# Allegro board RK_NVR_DEMO1_RK3588_LP4XD200P232SD8_V21_20211228_final_lint.brd (continued)
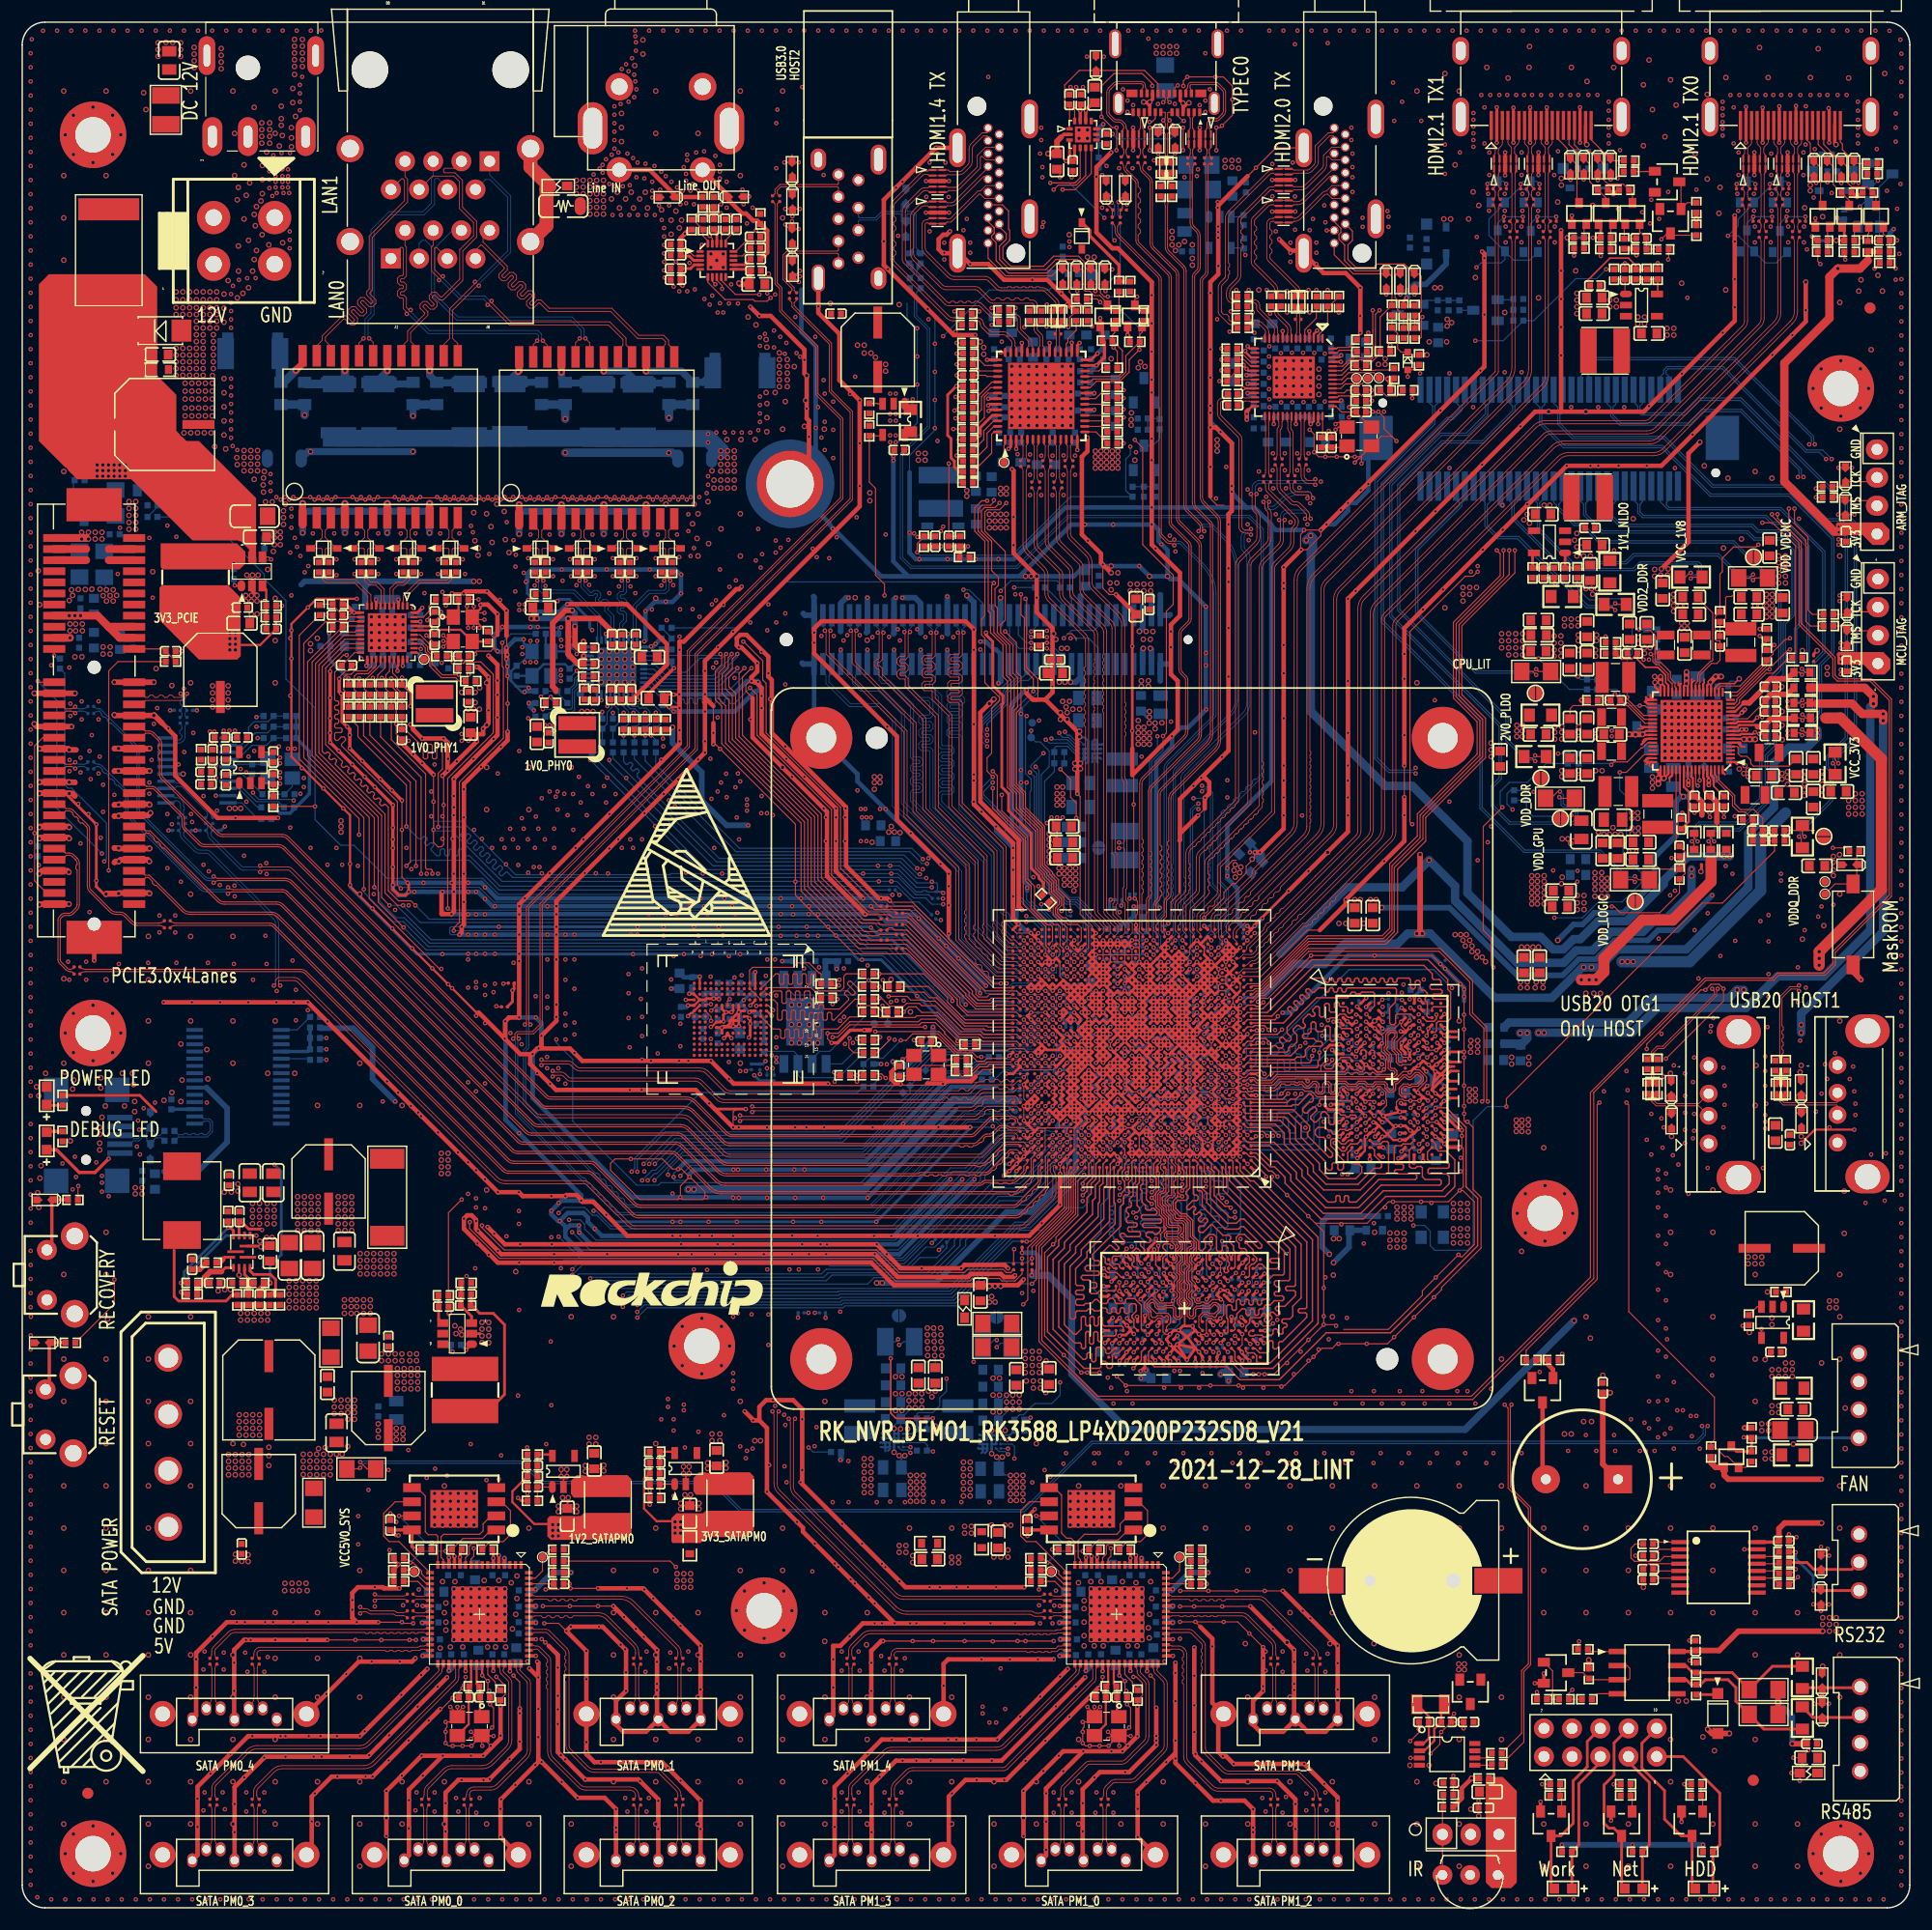
[diagram p0: board, top side]
## Placement (name value [footprint] x y rotation side) (continued)
R5524  0R  [R0201]  91.67 128.26 90 top
R5525  0R  [R0201]  91.96 130.19 90 top
R5526  0R  [R0201]  92.67 130.19 90 top
R5527  0R  [R0201]  92.96 128.26 90 top
R5528  22R  [R0402]  95.48 145.03 180 top
R5529  0R  [R0201]  93.67 128.26 90 top
R5530  0R  [R0201]  93.96 130.19 90 top
R5531  5.6K  [R0402]  94.97 143.5 90 top
R5532  0R  [R0201]  94.67 130.19 90 top
R5533  47K  [R0402]  95.98 143.5 270 top
R5534  100K  [R0402]  98.22 132.02 0 top
R5535  100K  [R0402]  98.22 133.04 0 top
R5536  100K  [R0402]  98.22 134.05 0 top
R5537  100K  [R0402]  98.22 135.07 0 top
R5538  33R  [R0402]  98.22 138.83 0 top
R5539  100K  [R0402]  98.22 136.09 0 top
R5540  0R  [R0402]  94.66 147.26 180 bottom
R5541  100K  [R0402]  98.22 137.1 0 top
R5542  10K  [R0402]  97.78 141.27 0 top
R5543  1.8K  [R0402]  98.83 146.14 270 top
R5544  22R  [R0402]  98.52 143.5 90 top
R5545  100K  [R0402]  100.96 134.26 0 bottom
R5546  10K  [R0402]  102.49 133.75 270 bottom
R5547  10K  [R0402]  100.25 141.17 0 top
R5548  1.8K  [R0402]  99.85 146.14 270 top
R5549  10K  [R0402]  100.05 127.65 90 bottom
R5550  22R  [R0402]  101.06 143.5 90 top
R5551  51K  [R0402]  102.08 127.65 270 bottom
R5552  10K  [R0402]  81.25 123.18 270 top
R5553  100K  [R0402]  84.5 123.18 270 top
R5554  100K  [R0402]  84.91 121.76 0 top
R5556  10K  [R0402]  85.21 129.44 180 top
R6700  0R  [R0402]  46.23 120.84 90 top
R6701  0R  [R0402]  47.14 120.84 90 top
R6702  0R  [R0402]  44.54 111.5 90 bottom
R6703  0R  [R0402]  50.04 120.84 90 top
R6704  0R  [R0402]  50.95 120.84 90 top
R6705  0R  [R0402]  53.85 120.84 90 top
R6706  0R  [R0402]  54.76 120.84 90 top
R6707  0R  [R0402]  57.66 120.84 90 top
R6708  0R  [R0402]  58.57 120.84 90 top
R6709  0R  [R0402]  46.72 114.84 0 bottom
R6710  75R  [R0805]  60.41 136.51 270 bottom
R6711  75R  [R0805]  58.28 136.51 270 bottom
R6712  75R  [R0805]  48.93 136.51 270 bottom
R6713  75R  [R0805]  46.8 136.51 270 bottom
R6714  100R  [R0402]  48.68 109.68 0 bottom
R6715  120R  [R0402]  46.7 109.68 180 bottom
R6716  4.7K  [R0402]  51.04 111 0 top
R6717  4.7K  [R0402]  50.64 109.38 90 top
R6718  4.7K  [R0402]  46.7 108.6 180 bottom
R6719  4.7K  [R0402]  47.62 108.63 180 top
R6720  4.7K  [R0402]  46.7 107.39 180 bottom
R6721  2.49K  [R0402]  48.76 114.84 180 bottom
R6722  4.7K  [R0402]  57.09 106.74 90 bottom
R6723  4.7K  [R0402]  57.08 106.66 270 top
R6724  4.7K  [R0402]  52.26 106.74 90 bottom
R6725  4.7K  [R0402]  53.23 106.74 90 bottom
R6726  4.7K  [R0402]  54.19 106.74 90 bottom
R6727  4.7K  [R0402]  54.19 106.66 270 top
R6728  4.7K  [R0402]  55.16 106.74 90 bottom
R6729  4.7K  [R0402]  55.16 106.66 270 top
R6730  0R  [R0402]  57.99 106.66 90 top
R6731  4.7K  [R0402]  56.12 106.74 90 bottom
R6732  4.7K  [R0402]  56.12 106.66 270 top
R6733  0R  [R0402]  46.71 118.43 0 top
R6734  4.7K  [R0402]  58.06 114.42 0 bottom
R6735  1.8K  [R0402]  58.06 112.35 180 bottom
R6736  0R  [R0402]  58.06 115.38 180 bottom
R6737  22R  [R0402]  54.19 104.6 270 bottom
R6738  22R  [R0402]  55.16 104.6 270 bottom
R6739  22R  [R0402]  56.12 104.6 270 bottom
R6740  22R  [R0402]  57.09 104.6 270 bottom
R6741  22R  [R0402]  52.26 104.6 270 bottom
R6742  22R  [R0402]  53.23 104.6 270 bottom
R6800  0R  [R0402]  26.72 120.84 90 top
R6801  0R  [R0402]  27.63 120.84 90 top
R6802  0R  [R0402]  41.94 114.6 90 top
R6803  0R  [R0402]  30.53 120.84 90 top
R6804  0R  [R0402]  31.44 120.84 90 top
R6805  0R  [R0402]  34.34 120.84 90 top
R6806  0R  [R0402]  35.25 120.84 90 top
R6807  0R  [R0402]  38.15 120.84 90 top
R6808  0R  [R0402]  39.06 120.84 90 top
R6809  0R  [R0402]  39.76 117.94 180 top
R6810  75R  [R0805]  37.35 136.51 270 bottom
R6811  75R  [R0805]  35.21 136.51 270 bottom
R6812  75R  [R0805]  25.45 136.51 270 bottom
R6813  75R  [R0805]  23.32 136.51 270 bottom
R6814  100R  [R0402]  37.8 112.83 180 top
R6815  120R  [R0402]  38.86 112.9 180 bottom
R6816  4.7K  [R0402]  35.45 114.1 180 bottom
R6817  4.7K  [R0402]  35.85 112.48 90 bottom
R6818  4.7K  [R0402]  39.78 111.72 0 top
R6819  4.7K  [R0402]  38.86 111.73 0 bottom
R6820  4.7K  [R0402]  40.41 110.58 0 top
R6821  2.49K  [R0402]  37.72 117.94 0 top
R6822  4.7K  [R0402]  29.39 109.82 270 top
R6823  4.7K  [R0402]  34.22 109.82 90 top
R6824  4.7K  [R0402]  34.18 109.79 270 bottom
R6825  4.7K  [R0402]  33.26 109.82 90 top
R6826  4.7K  [R0402]  32.29 109.82 90 top
R6827  4.7K  [R0402]  32.29 109.79 270 bottom
R6828  4.7K  [R0402]  31.33 109.82 90 top
R6829  4.7K  [R0402]  31.33 109.79 270 bottom
R6830  0R  [R0402]  27.3 113.73 0 bottom
R6831  4.7K  [R0402]  30.36 109.82 90 top
R6832  4.7K  [R0402]  30.36 109.79 270 bottom
R6833  0R  [R0402]  30.43 117.28 180 bottom
R6834  4.7K  [R0402]  28.42 117.52 180 top
R6835  1.8K  [R0402]  28.42 115.45 0 top
R6836  0R  [R0402]  26.79 116.98 90 top
R6837  22R  [R0402]  32.29 107.8 270 top
R6838  22R  [R0402]  31.33 107.8 270 top
R6839  22R  [R0402]  30.36 107.8 270 top
R6840  22R  [R0402]  29.39 107.8 270 top
R6841  22R  [R0402]  34.22 107.8 270 top
R6842  22R  [R0402]  33.26 107.8 270 top
R7000  10K  [R0402]  61.31 153.76 90 top
R7001  10K  [R0402]  62.33 153.76 90 top
R7002  10K  [R0402]  60.32 151.73 90 top
R7003  10K  [R0402]  66.52 152.24 90 top
R7004  10K  [R0402]  61.34 151.73 90 top
R7005  10K  [R0402]  135.96 49.39 0 top
R7006  51K  [R0402]  137.98 49.39 0 top
R8200  100K  [R0402]  48.34 30.23 180 top
R8201  0R  [R0402]  48.34 31.26 180 top
R8202  4.7K  [R0402]  48.34 32.28 180 top
R8203  10K  [R0402]  39.16 32.3 180 top
R8204  10K  [R0402]  41.91 32.3 180 top
R8205  10K  [R0402]  36.42 32.3 0 top
R8206  12K  [R0402]  43.1 19.17 270 top
R8207  1M  [R0402]  40.73 19.97 180 top
R8208  4.7K  [R0402]  33.93 31.51 0 top
R8209  0R  [R0402]  33.93 29.42 0 top
R8210  4.7K  [R0402]  33.93 30.44 0 top
R8211  0R  [R0603]  60.15 32.64 90 top
R8212  10K  [R0402]  57 36.95 0 top
R8213  150K  [R0402]  57 39.15 0 top
R8214  33K  [R0402]  57 41.12 180 top
R8215  10K  [R0402]  45.97 36.69 0 top
R8216  100K  [R0402]  45.97 38.9 0 top
R8217  100K  [R0402]  45.97 40.87 180 top
R8300  100K  [R0402]  105.75 30.23 180 top
R8301  0R  [R0402]  105.75 31.26 180 top
R8302  4.7K  [R0402]  105.75 32.28 180 top
R8303  10K  [R0402]  96.57 32.3 180 top
R8304  10K  [R0402]  99.31 32.3 180 top
R8305  10K  [R0402]  93.83 32.3 0 top
R8306  12K  [R0402]  100.51 19.17 270 top
R8307  1M  [R0402]  98.13 19.97 180 top
R8308  4.7K  [R0402]  91.33 31.51 0 top
R8309  4.7K  [R0402]  91.33 30.44 0 top
R8310  0R  [R0402]  91.33 29.42 0 top
R8311  0R  [R0603]  86.45 33.18 270 top
R8312  0R  [R0603]  81.76 32.86 0 top
R8400  22R  [R0402]  92.23 90.97 135 bottom
R8401  22R  [R0402]  3.4 112.16 90 bottom
R8402  22R  [R0402]  13.38 112.34 0 top
R8403  22R  [R0402]  1.39 95.24 90 bottom
R8404  33R  [R0201]  14.23 107.05 90 bottom
R8405  33R  [R0201]  14.83 107.05 90 bottom
R8406  49.9R  [R0201]  15.09 107.94 0 bottom
R8407  49.9R  [R0201]  13.97 107.94 180 bottom
R8408  10K  [R0402]  24.23 105.44 180 bottom
R8409  10K  [R0402]  22.2 105.44 180 bottom
R8410  10K  [R0402]  24.23 107.43 180 bottom
R8411  10K  [R0402]  22.2 107.43 180 bottom
R8412  10K  [R0402]  24.23 106.47 180 bottom
R8413  10K  [R0402]  22.2 106.47 180 bottom
R8414  22R  [R0402]  22.1 100.38 180 bottom
R8415  33R  [R0201]  17.17 98.01 270 bottom
R8416  33R  [R0201]  16.53 98.01 270 bottom
R8417  10K  [R0402]  21.99 99.2 180 bottom
R8418  49.9R  [R0201]  16.28 97.12 180 bottom
R8419  49.9R  [R0201]  17.42 97.12 0 bottom
R8420  4.7K  [R0402]  24.03 99.2 180 bottom
R8421  470R  [R0402]  21.99 98.15 0 bottom
R8422  2.2R  [R0402]  16.11 103.95 270 top
R8423  33R  [R0201]  14.71 98.01 270 bottom
R8424  33R  [R0201]  14.08 98.01 270 bottom
R8425  49.9R  [R0201]  13.82 97.12 180 bottom
R8426  49.9R  [R0201]  14.97 97.12 0 bottom
R8427  100K  [R0402]  22.63 99.74 90 top
R8428  100K  [R0402]  5.17 129.67 180 bottom
R8429  10K  [R0402]  21.31 121.45 0 bottom
R8430  232K  [R0402]  22.44 116.34 180 top
R8431  DNP  [R0402]  21.82 122.98 90 bottom
R8432  10K  [R0402]  5.17 130.69 0 bottom
R8433  49.9K  [R0402]  22.44 117.37 0 top
R8434  10K  [R0402]  11.74 125.38 180 bottom
R8435  51K  [R0402]  11.74 126.42 180 bottom
R9000  10K  [R0402]  128.49 9.1 180 top
R9001  22R  [R0402]  128.49 10.19 180 top
R9002  22R  [R0402]  131.72 11.67 0 top
R9003  1K  [R0402]  139.18 5.05 0 top
R9004  1K  [R0402]  151.88 5.05 0 top
R9005  1K  [R0402]  145.53 5.05 0 top
R9006  10K  [R0402]  138.12 11.14 0 top
R9007  10K  [R0402]  150.82 11.14 0 top
R9008  10K  [R0402]  144.47 11.14 0 top
R9009  51K  [R0402]  138.12 10.13 180 top
R9010  51K  [R0402]  150.82 10.13 180 top
R9011  51K  [R0402]  144.47 10.13 180 top
R9100  0R  [R0402]  26.39 80.31 180 bottom
R9101  0R  [R0402]  26.39 76.45 180 bottom
R9102  0R  [R0402]  26.39 79.35 180 bottom
R9103  2.2K  [R0402]  3.63 69.54 270 top
R9104  22R  [R0402]  13.27 69.14 180 bottom
R9105  22R  [R0402]  13.27 70.03 180 bottom
R9106  22R  [R0402]  162.66 127.13 0 top
R9107  22R  [R0402]  162.66 128.12 0 top
R9108  22R  [R0402]  162.74 115.55 0 top
R9109  22R  [R0402]  162.74 116.59 0 top
R9200  100R  [R0402]  4.57 63.81 180 top
R9201  100R  [R0402]  4.35 50.93 180 top
R9300  10K  [R0201]  98.22 86.1 0 bottom
R9301  110K  [R0402]  99.25 86.59 90 bottom
R9500  10K  [R0402]  141.15 21.12 270 top
R9501  3.3K  [R0402]  150.82 19.67 90 top
R9502  22R  [R0402]  140.63 23.3 0 top
R9503  0R  [R0805]  160.4 20.77 270 top
R9504  0R  [R0805]  160.4 17.11 90 top
R9505  60.4R  [R1206]  156.9 19.67 0 top
R9506  60.4R  [R1206]  156.9 17.43 0 top
R9507  22R  [R0402]  140.98 18.8 0 top
R9508  3.3K  [R0402]  150.82 21.65 90 top
R9509  10K  [R0402]  138.92 18.8 180 top
R9510  51K  [R0402]  136.93 18.8 180 top
R9511  22R  [R0402]  158.74 32.09 0 top
R9512  22R  [R0402]  158.74 31.12 0 top
R9513  22R  [R0402]  158.74 30.16 0 top
R9514  22R  [R0402]  158.74 29.19 0 top
R9900  0R  [R0805]  159.54 46.84 0 top
R9901  0R  [R0805]  159.54 40.82 0 top
R9902  1K  [R0402]  155.83 40.68 90 top
R9904  10K  [R0402]  152.17 41.09 90 top
R9905  10K  [R0402]  155.83 42.82 270 top
SMTSO9900  SMTSO3050CTJ  [SMTSO_M3_C4R1_C6R0_L5R0]  69.18 128.36 180 bottom
SW1500  TS-1125HS  [SW2_6R00X3R70X2R50]  164.97 92.3 180 top
SW9200  TS-1138V1  [SW4_6R50X7R00X7R10]  3.48 57.05 270 top
SW9201  TS-1138V1  [SW4_6R50X7R00X7R10]  3.35 44.48 270 top
TP1300  TP_0.7  [TP_0R70]  61.54 80.31 180 bottom
TP1301  TP_0.7  [TP_0R70]  60.63 80.31 180 bottom
TP1302  TP_0.7  [TP_0R70]  78 79.7 180 bottom
TP1303  TP_0.7  [TP_0R70]  76.78 79.7 180 bottom
TP1500  TP_0.7  [TP_0R70]  90.9 105.5 0 bottom
TP1501  TP_0.7  [TP_0R70]  91.01 106.82 0 bottom
TP1502  TP_0.7  [TP_0R70]  162.43 91.38 0 top
TP1503  TP_0.7  [TP_0R70]  162.43 92.5 0 top
TP5100  TP_0.7  [TP_0R70]  122.25 137.92 90 top
TP5101  TP_0.7  [TP_0R70]  120.22 137.87 90 top
TP5102  TP_0.7  [TP_0R70]  121.24 137.88 90 top
TP5500  TP_0.7  [TP_0R70]  88.47 130.29 0 top
TP6700  TP_0.7  [TP_0R70]  50.28 109.44 90 bottom
TP6800  TP_0.7  [TP_0R70]  36.2 112.54 90 top
TP8200  TP_0.7  [TP_0R70]  46.88 31.61 270 top
TP8201  TP_0.7  [TP_0R70]  35.32 30.31 270 top
TP8300  TP_0.7  [TP_0R70]  104.28 31.61 270 top
TP8301  TP_0.7  [TP_0R70]  92.72 30.31 270 top
U1000  RK3588  [BGA1088_23R00X23R00X2R00]  100 77.46 180 top
U2000  MP8759  [QFN12_2R00X3R00X1R00]  19.79 59.15 180 top
U2001  ETA3409/SY8089AAC  [SOT_23_5]  139.02 122.14 180 top
U2002  SY8113B/SM8103ADC  [SOT_23_6]  39.19 51.76 180 top
U2100  RK806-1  [QFN68_7R00X7R00X0R80_T]  150.42 106.08 180 top
U2200  RK860-2  [WLCSP20_1R65X2R05X0R63]  87.35 42 90 bottom
U2201  RK860-3  [WLCSP20_1R65X2R05X0R63]  78.57 42.13 90 bottom
U2202  RK860-2  [WLCSP20_1R65X2R05X0R63]  96.03 104.26 270 bottom
U2203  HYM8563TS  [TSSOP8_3R10X3R10X1R10]  128.39 13.83 0 top
U2500  SY6280AAC  [SOT_23_5]  106.94 152.43 270 bottom
U2501  SY6280AAC  [SOT_23_5]  79.53 135.58 270 top
U2502  SY6280AAC  [SOT_23_5]  158.71 54.18 270 top
U2503  FUSB302BMPX  [MLP14_2R50X2R50X0R80]  95.58 159.86 0 top
U3800  LPDDR4_200P  [BGA200_15R00X10R00X0R90]  123.42 74.71 0 top
U3801  LPDDR4_200P  [BGA200_15R00X10R00X0R90]  104.73 54.04 270 top
U4000  EMMC_B153_2L  [BGA153_13RX11R5X0R9_2L]  63.8 80.1 270 top
U4300  SPI_Nand_Flash  [WSON8_8R00X6R00X0R80_T]  70.53 79.88 180 bottom
U4700  61082-08  [CNN80M_0R80_61082]  86.95 114.32 180 bottom
U5100  IT6563FN  [QFN56_7R00X7R00X0R90_T]  114.57 137.96 270 top
U5101  ETA3409/SY8089AAC  [SOT_23_5]  144.5 145.47 0 top
U5500  IT6161  [QFN56_8R00X8R00X0R90_T]  91.82 136.29 90 top
U5501  ETA3409/SY8089AAC  [SOT_23_5]  81.56 122.57 0 bottom
U6700  H5007  [SOIC24_17R53X12R20X5R51]  51.77 132.5 0 top
U6701  RTL8211F-CG  [QFN40_5R00X5R00X0R90_T]  53.59 111.85 270 bottom
U6800  H5007  [SOIC24_17R53X12R20X5R51]  32.26 132.6 0 top
U6801  RTL8211F-CG  [QFN40_5R00X5R00X0R90_T]  32.89 114.95 270 top
U7000  ES8311  [QFN20_3R00X3R00X0R55_T]  62.58 148.51 0 top
U8200  JMB575  [QFN64_9R00X9R00X0R90_T]  41.2 26.46 270 top
U8201  W25X40CLNIG/SOIC-8  [WSON8_8R00X6R00X0R80_T]  38.92 35.96 90 top
U8202  ETA3409/SY8089AAC  [SOT_23_5]  58.79 38.19 90 top
U8203  ETA3409/SY8089AAC  [SOT_23_5]  47.77 37.94 90 top
U8300  JMB575  [QFN64_9R00X9R00X0R90_T]  98.6 26.46 270 top
U8301  W25X40CLNIG/SOIC-8  [WSON8_8R00X6R00X0R80_T]  96.32 35.96 90 top
U8400  PI6C557-05BLE  [TSSOP20_6R50X4R40X1R20]  15.75 102.53 180 bottom
U8401  PT5108E23E-33  [SOT_23_5]  19.56 101.39 90 top
U8402  SY8113B/SM8103ADC  [SOT_23_6]  20.7 120.47 90 top
U9100  FT232RL  [SSOP28_10R20X5R30X2R00]  19.44 74.91 270 bottom
U9500  SIT3485E  [SOP8_4R00X5R00X1R75]  146.41 21.2 270 top
U9501  SIT3232E  [SSOP16_5R60X6R50X2R00]  152.84 30.69 0 top
U9900  CN4M_2R54_V  [CN4M_2R54_V_P_DIP]  165.48 46.17 270 top
Y1100  24MHz  [CRY4_3R20X2R50X0R80]  81.46 75.99 180 top
Y2200  32.768KHz  [CRY2_3R20X1R50X0R90]  126.91 18.35 180 top
Y5100  27MHz  [CRY4_3R20X2R50X0R80]  120.47 132.63 0 top
Y6700  25MHz  [CRY4_3R20X2R50X0R80]  46.78 112.15 270 bottom
Y6800  25MHz  [CRY4_3R20X2R50X0R80]  39.7 115.25 270 top
Y8200  25MHz  [CRY4_3R20X2R50X0R80]  40.31 16.38 180 top
Y8300  25MHz  [CRY4_3R20X2R50X0R80]  97.71 16.38 180 top
Y8400  25MHz  [CRY4_3R20X2R50X0R80]  23.23 102.69 0 bottom

## Library data of the parts
BP7000 = BEEP_0
C1000-C1007 C1010 C1013-C1020 C1022-C1025 C1027-C1043 C1045-C1052 C1054 C1057-C1066 C1069-C1073 C1080-C1083 C1085 C1086 C1100-C1107 C1109-C1113 C1200-C1221 C1223-C1229 C1231 C1232 C1300-C1302 C1404-C1407 C1412 C1417-C1423 C1500-C1506 C1600-C1604 C1606-C1611 C1713-C1715 C1729-C1731 C1801 C1803-C1808 C1810 C1812-C1816 C1819 C1901-C1903 C1905 C2001 C2003 C2004 C2006-C2010 C2012-C2015 C2017 C2019-C2031 C2033-C2035 C2100-C2111 C2114-C2123 C2126-C2173 C2200-C2215 C2218-C2225 C2227-C2230 C2503-C2506 C2508 C2511 C2513 C2515-C2523 C2526 C2528 C3800-C3888 C4000-C4010 C4300 C4301 C4700-C4707 C5000 C5001 C5003 C5005 C5102-C5142 C5500-C5533 C6700-C6724 C6726 C6800-C6823 C6826 C7000-C7012 C8204 C8209-C8213 C8216 C8218 C8224-C8237 C8242-C8255 C8308 C8310-C8313 C8316 C8318 C8324-C8334 C8339-C8349 C8400 C8409-C8434 C8436 C8437 C9000-C9002 C9100-C9106 C9500-C9507 C9900 C9901 = CAP NP
C1408-C1411 C1413-C1416 C2501 C2502 C2509 C2510 C2524 C2525 = CAP NP: signal model: CAP_NP_C0201_100NF_100nF
C1700-C1707 C1709 C1710 C1716-C1725 = CAP NP: signal model: CAP_NP_C0201_150NF_150nF
C1711 C1726 C1727 = CAP NP: signal model: CAP_NP_C0201_1UF_1uF
C2000 C2002 C2005 C2011 C2032 C2507 C2512 C8435 = CAP
C5100 C5101 = CAP NP: signal model: CAP_NP_C0402_100NF_100nF
C8200-C8203 C8205-C8208 C8214 C8215 C8217 C8219-C8223 C8238-C8241 C8300-C8307 C8309 C8314 C8315 C8317 C8319-C8323 C8335-C8338 = CAP NP: signal model: CAP_NP_C0201_10NF_10nF
C8401-C8408 = CAP NP: signal model: CAP_NP_C0201_220NF_220nF
D1500 D2504-D2519 D7000 D7001 D9100-D9105 D9200 D9201 ED2100 ED5002-ED5005 ED5008-ED5011 ED5102-ED5104 ED5502-ED5505 ED6700-ED6703 ED6800-ED6803 ED9500-ED9503 = DIODE BI_DIR TRIG
D2000 D5000 D5002 D5003 D5005 D5100-D5102 D5500 D5501 D9502 = DIODE
D2200 = DIODE Double
D6700-D6703 D6800-D6803 = BA301N_3
D6704-D6707 D6804-D6807 = BA301N_1
ED2500 ED2501 ED5000 ED5001 ED5006 ED5007 ED5100 ED5101 ED5500 ED5501 = ESD_ESD5304D
F2000 = FUSE
FB2201 FB5100-FB5103 FB5500-FB5505 FB6700 FB9500 = BEAD
H9900-H9907 = Hole
IR9000 = IRM_0
J2000 = DCJACK_3P
J2001 = CON4_8
J2002 = SATA_IDE_DIP_0
J2100-J2105 J2200 J2202 J2203 = JM_0
J2201 = CON_BATTERY-20MM
J2500 = USB30_TYPE-C Receptacle_0
J2501 = USB30_TYPE_A_V_2
J2502 J2503 = USB20_TYPE_A
J5000 J5001 J5100 J5500 = HDMI_TYPE_A_0
J6700 = RJSAE5F8002
J7000 = JP_AV1-8_1.4-5G
J8200-J8204 J8300-J8304 = SATA_DIP_0
J8400 = PCIeX4_1
J9000 J9501 = CON3_1X3
J9001 = CON20_0
J9100 = USB20_MINI
J9101 J9102 = HEADER 4_0
J9500 U9900 = CON4_0
J9800 = PowerMeasurement_6
J9901 = Radiator_Fan_2: signal model: RADIATOR_FAN_2_RADIATOR_FAN_65R_Radiator_Fan_65x65
L2000-L2002 L2100-L2109 L2200-L2202 L5101 L5501 L6700 L6800 L8200 L8201 L8400 = INDUCTORS OF FERRITE
L2500-L2503 L5100 L5500 = INDUCTOR COM
LED2000 LED9000-LED9002 LED9100 = LED
M9900-M9905 = MARK
Q1700-Q1707 Q5000-Q5005 Q5501 Q5502 Q9501 = MOSFET N
Q5006-Q5009 Q5101 Q5503 Q7000 Q8401 Q9000-Q9002 Q9500 = NPN
Q5100 Q5500 Q8400 = MOSFET P
R1100-R1103 R1109 R1111-R1118 R1200-R1205 R1400-R1405 R1500-R1503 R1510 R1514 R1700-R1717 R1800 R1801 R1912-R1918 R1922 R2000-R2024 R2100-R2104 R2111-R2114 R2121-R2144 R2150 R2200-R2207 R2209 R2210 R2220 R2221 R2500 R2501 R2505 R2510 R2511 R2513 R2515-R2517 R2526 R2529 R2532-R2536 R2539 R3800 R3803 R3806-R3811 R3816-R3819 R4000-R4002 R4004 R4300 R4301 R4734-R4736 R5010-R5023 R5025-R5028 R5100-R5102 R5107 R5112-R5133 R5135-R5139 R5500-R5504 R5506-R5511 R5513 R5528 R5531 R5533-R5554 R5556 R6702 R6709-R6713 R6715-R6735 R6802 R6809-R6813 R6815-R6835 R7000-R7006 R8200-R8217 R8300-R8312 R8400-R8403 R8406-R8414 R8417-R8422 R8425-R8435 R9000-R9011 R9100-R9103 R9200 R9201 R9300 R9301 R9500-R9514 R9900-R9902 R9904 R9905 = RESISTOR
R1104-R1107 R6714 R6736-R6742 R6814 R6836-R6842 R9104-R9109 = RESISTOR: signal model: RESISTOR_R0402_22R_22R
R1108 R1300-R1316 R2506 R2509 R2518 R2521 R2522 R2525 R2527 R2531 R4003 R5000-R5009 R6700 R6701 R6703-R6708 R6800 R6801 R6803-R6808 = RESISTOR: signal model: RESISTOR_R0402_0R_0R
R1110 = RESISTOR: signal model: RESISTOR_R0402_120K_120K
R1504-R1509 R1511-R1513 R1900-R1911 = RESISTOR: signal model: RESISTOR_R0201_22R_22R
R2502 R2503 R2512 R2514 R2537 R2538 R3801 R3802 R3804 R3805 R3812-R3815 R5520 R5521 R5523-R5527 R5529 R5530 R5532 = RESISTOR: signal model: RESISTOR_R0201_0R_0R
R2507 R2508 R2519 R2520 R2523 R2524 R2528 R2530 R5103-R5106 R5108-R5111 R5512 R5514-R5519 R5522 = RESISTOR: signal model: RESISTOR_R0402_2.2R_2.2R
R8404 R8405 R8415 R8416 R8423 R8424 = RESISTOR: signal model: RESISTOR_R0201_33R_33R
SMTSO9900 = SMTSO
SW1500 = KEY_2PIN
SW9200 SW9201 = KEY_4PIN
TP1300-TP1303 TP1500-TP1503 TP5100-TP5102 TP5500 TP6700 TP6800 TP8200 TP8201 TP8300 TP8301 = TP
U1000 = SOC_RK3588
U2000 = MP8759_6
U2001 U5101 U5501 U8202 U8203 = DCDC_SY8088
U2002 U8402 = DCDC_SY8113
U2100 = PMIC_RK806
U2200-U2202 = DCDC_RK860
U2203 = RTC_HYM8563
U2500-U2502 = SWITCH_SY6280
U2503 = USB_FUSB302B
U3800 U3801 = LPDDR4_200P
U4000 = INAND_EMMC_153_2L
U4300 U8201 U8301 = SPI_FLASH_8PIN_T_0
U4700 = 61082-08
U5100 = IT6563FN
U5500 = IT6161
U6700 U6800 = Ethernet_H5007
U6701 U6801 = Ethernet_RTL8211F
U7000 = CODEC_ES8316_1
U8200 U8300 = JMB575
U8400 = PI6C557-05BLE_0: Tolerance: VAL*
U8401 = LDO_PT5108
U9100 = Interface_FT232RL
U9500 = MAX3485_0
U9501 = MAX3232/SIT3232E
Y1100 Y5100 Y6700 Y6800 Y8200 Y8300 Y8400 = CRYSTAL_4P
Y2200 = CRYSTAL_2P

## Footprints (pads in the part's own frame, mm; a bottom-side part is the same pattern mirrored in y, then rotated)
BA301N
  rect 1x3.2 smd: 1(-2.25,0) 2(2.25,0)
BAT_CR1220
  round 1.3 hole 1.3 unplated: (-3.75,0)
  round 1 hole 1 unplated: (3.75,0)
  rect 4.35x2.3 smd: 1(-7.815,0)
  rect 4.04x2.3 smd: 2(8.15,0)
BEEP_650
  rect 2.54x2.54 hole 0.9: 1(0,0)
  round 2.54 hole 0.9: 2(6.5,0)
BGA153_13RX11R5X0R9_2L
  round 0.3 smd: A2(-2.75,3.25) A3(-2.25,3.25) A4(-1.75,3.25) A5(-1.25,3.25) A6(-0.75,3.25) A7(-0.25,3.25) A8(0.25,3.25) A9(0.75,3.25) A10(1.25,3.25) A11(1.75,3.25) A12(2.25,3.25) A13(2.75,3.25) A14(3.25,3.25) B1(-3.25,2.75) B2(-2.75,2.75) B3(-2.25,2.75) B4(-1.75,2.75) B5(-1.25,2.75) B6(-0.75,2.75) B7(-0.25,2.75) B8(0.25,2.75) B9(0.75,2.75) B10(1.25,2.75) B11(1.75,2.75) B12(2.25,2.75) B13(2.75,2.75) B14(3.25,2.75) C1(-3.25,2.25) C2(-2.75,2.25) C3(-2.25,2.25) C4(-1.75,2.25) C6(-0.75,2.25) C7(-0.25,2.25) C8(0.25,2.25) C9(0.75,2.25) C10(1.25,2.25) C11(1.75,2.25) C12(2.25,2.25) C13(2.75,2.25) C14(3.25,2.25) D1(-3.25,1.75) D2(-2.75,1.75) D3(-2.25,1.75) D4(-1.75,1.75) D12(2.25,1.75) D13(2.75,1.75) D14(3.25,1.75) E1(-3.25,1.25) E2(-2.75,1.25) E3(-2.25,1.25) E5(-1.25,1.25) E6(-0.75,1.25) E7(-0.25,1.25) E8(0.25,1.25) E9(0.75,1.25) E10(1.25,1.25) E12(2.25,1.25) E13(2.75,1.25) E14(3.25,1.25) F1(-3.25,0.75) F2(-2.75,0.75) F3(-2.25,0.75) F5(-1.25,0.75) F10(1.25,0.75) F12(2.25,0.75) F13(2.75,0.75) F14(3.25,0.75) G1(-3.25,0.25) G2(-2.75,0.25) G3(-2.25,0.25) G5(-1.25,0.25) G10(1.25,0.25) G12(2.25,0.25) G13(2.75,0.25) G14(3.25,0.25) H1(-3.25,-0.25) H2(-2.75,-0.25) H3(-2.25,-0.25) H5(-1.25,-0.25) H10(1.25,-0.25) H12(2.25,-0.25) H13(2.75,-0.25) H14(3.25,-0.25) J1(-3.25,-0.75) J2(-2.75,-0.75) J3(-2.25,-0.75) J5(-1.25,-0.75) J10(1.25,-0.75) J12(2.25,-0.75) J13(2.75,-0.75) J14(3.25,-0.75) K1(-3.25,-1.25) K2(-2.75,-1.25) K3(-2.25,-1.25) K5(-1.25,-1.25) K6(-0.75,-1.25) K7(-0.25,-1.25) K8(0.25,-1.25) K9(0.75,-1.25) K10(1.25,-1.25) K12(2.25,-1.25) K13(2.75,-1.25) K14(3.25,-1.25) L1(-3.25,-1.75) L2(-2.75,-1.75) L3(-2.25,-1.75) L12(2.25,-1.75) L13(2.75,-1.75) L14(3.25,-1.75) M1(-3.25,-2.25) M2(-2.75,-2.25) M3(-2.25,-2.25) M4(-1.75,-2.25) M5(-1.25,-2.25) M6(-0.75,-2.25) M7(-0.25,-2.25) M8(0.25,-2.25) M9(0.75,-2.25) M10(1.25,-2.25) M11(1.75,-2.25) M12(2.25,-2.25) M13(2.75,-2.25) M14(3.25,-2.25) N1(-3.25,-2.75) N2(-2.75,-2.75) N3(-2.25,-2.75) N4(-1.75,-2.75) N5(-1.25,-2.75) N6(-0.75,-2.75) N7(-0.25,-2.75) N8(0.25,-2.75) N9(0.75,-2.75) N10(1.25,-2.75) N11(1.75,-2.75) N12(2.25,-2.75) N13(2.75,-2.75) N14(3.25,-2.75) P1(-3.25,-3.25) P2(-2.75,-3.25) P3(-2.25,-3.25) P4(-1.75,-3.25) P5(-1.25,-3.25) P6(-0.75,-3.25) P7(-0.25,-3.25) P8(0.25,-3.25) P9(0.75,-3.25) P10(1.25,-3.25) P11(1.75,-3.25) P12(2.25,-3.25) P13(2.75,-3.25) P14(3.25,-3.25)
BGA200_15R00X10R00X0R90
  round 0.3 smd: A1(-4.4,6.825) A2(-3.6,6.825) A3(-2.8,6.825) A4(-2,6.825) A5(-1.2,6.825) A8(1.2,6.825) A9(2,6.825) A10(2.8,6.825) A11(3.6,6.825) A12(4.4,6.825) AA1(-4.4,-6.175) AA2(-3.6,-6.175) AA3(-2.8,-6.175) AA4(-2,-6.175) AA5(-1.2,-6.175) AA8(1.2,-6.175) AA9(2,-6.175) AA10(2.8,-6.175) AA11(3.6,-6.175) AA12(4.4,-6.175) AB1(-4.4,-6.825) AB2(-3.6,-6.825) AB3(-2.8,-6.825) AB4(-2,-6.825) AB5(-1.2,-6.825) AB8(1.2,-6.825) AB9(2,-6.825) AB10(2.8,-6.825) AB11(3.6,-6.825) AB12(4.4,-6.825) B1(-4.4,6.175) B2(-3.6,6.175) B3(-2.8,6.175) B4(-2,6.175) B5(-1.2,6.175) B8(1.2,6.175) B9(2,6.175) B10(2.8,6.175) B11(3.6,6.175) B12(4.4,6.175) C1(-4.4,5.525) C2(-3.6,5.525) C3(-2.8,5.525) C4(-2,5.525) C5(-1.2,5.525) C8(1.2,5.525) C9(2,5.525) C10(2.8,5.525) C11(3.6,5.525) C12(4.4,5.525) D1(-4.4,4.875) D2(-3.6,4.875) D3(-2.8,4.875) D4(-2,4.875) D5(-1.2,4.875) D8(1.2,4.875) D9(2,4.875) D10(2.8,4.875) D11(3.6,4.875) D12(4.4,4.875) E1(-4.4,4.225) E2(-3.6,4.225) E3(-2.8,4.225) E4(-2,4.225) E5(-1.2,4.225) E8(1.2,4.225) E9(2,4.225) E10(2.8,4.225) E11(3.6,4.225) E12(4.4,4.225) F1(-4.4,3.575) F2(-3.6,3.575) F3(-2.8,3.575) F4(-2,3.575) F5(-1.2,3.575) F8(1.2,3.575) F9(2,3.575) F10(2.8,3.575) F11(3.6,3.575) F12(4.4,3.575) G1(-4.4,2.925) G2(-3.6,2.925) G3(-2.8,2.925) G4(-2,2.925) G5(-1.2,2.925) G8(1.2,2.925) G9(2,2.925) G10(2.8,2.925) G11(3.6,2.925) G12(4.4,2.925) H1(-4.4,2.275) H2(-3.6,2.275) H3(-2.8,2.275) H4(-2,2.275) H5(-1.2,2.275) H8(1.2,2.275) H9(2,2.275) H10(2.8,2.275) H11(3.6,2.275) H12(4.4,2.275) J1(-4.4,1.625) J2(-3.6,1.625) J3(-2.8,1.625) J4(-2,1.625) J5(-1.2,1.625) J8(1.2,1.625) J9(2,1.625) J10(2.8,1.625) J11(3.6,1.625) J12(4.4,1.625) K1(-4.4,0.975) K2(-3.6,0.975) K3(-2.8,0.975) K4(-2,0.975) K5(-1.2,0.975) K8(1.2,0.975) K9(2,0.975) K10(2.8,0.975) K11(3.6,0.975) K12(4.4,0.975) N1(-4.4,-0.975) N2(-3.6,-0.975) N3(-2.8,-0.975) N4(-2,-0.975) N5(-1.2,-0.975) N8(1.2,-0.975) N9(2,-0.975) N10(2.8,-0.975) N11(3.6,-0.975) N12(4.4,-0.975) P1(-4.4,-1.625) P2(-3.6,-1.625) P3(-2.8,-1.625) P4(-2,-1.625) P5(-1.2,-1.625) P8(1.2,-1.625) P9(2,-1.625) P10(2.8,-1.625) P11(3.6,-1.625) P12(4.4,-1.625) R1(-4.4,-2.275) R2(-3.6,-2.275) R3(-2.8,-2.275) R4(-2,-2.275) R5(-1.2,-2.275) R8(1.2,-2.275) R9(2,-2.275) R10(2.8,-2.275) R11(3.6,-2.275) R12(4.4,-2.275) T1(-4.4,-2.925) T2(-3.6,-2.925) T3(-2.8,-2.925) T4(-2,-2.925) T5(-1.2,-2.925) T8(1.2,-2.925) T9(2,-2.925) T10(2.8,-2.925) T11(3.6,-2.925) T12(4.4,-2.925) U1(-4.4,-3.575) U2(-3.6,-3.575) U3(-2.8,-3.575) U4(-2,-3.575) U5(-1.2,-3.575) U8(1.2,-3.575) U9(2,-3.575) U10(2.8,-3.575) U11(3.6,-3.575) U12(4.4,-3.575) V1(-4.4,-4.225) V2(-3.6,-4.225) V3(-2.8,-4.225) V4(-2,-4.225) V5(-1.2,-4.225) V8(1.2,-4.225) V9(2,-4.225) V10(2.8,-4.225) V11(3.6,-4.225) V12(4.4,-4.225) W1(-4.4,-4.875) W2(-3.6,-4.875) W3(-2.8,-4.875) W4(-2,-4.875) W5(-1.2,-4.875) W8(1.2,-4.875) W9(2,-4.875) W10(2.8,-4.875) W11(3.6,-4.875) W12(4.4,-4.875) Y1(-4.4,-5.525) Y2(-3.6,-5.525) Y3(-2.8,-5.525) Y4(-2,-5.525) Y5(-1.2,-5.525) Y8(1.2,-5.525) Y9(2,-5.525) Y10(2.8,-5.525) Y11(3.6,-5.525) Y12(4.4,-5.525)
